# KiCad board schematic_MD.kicad_pcb
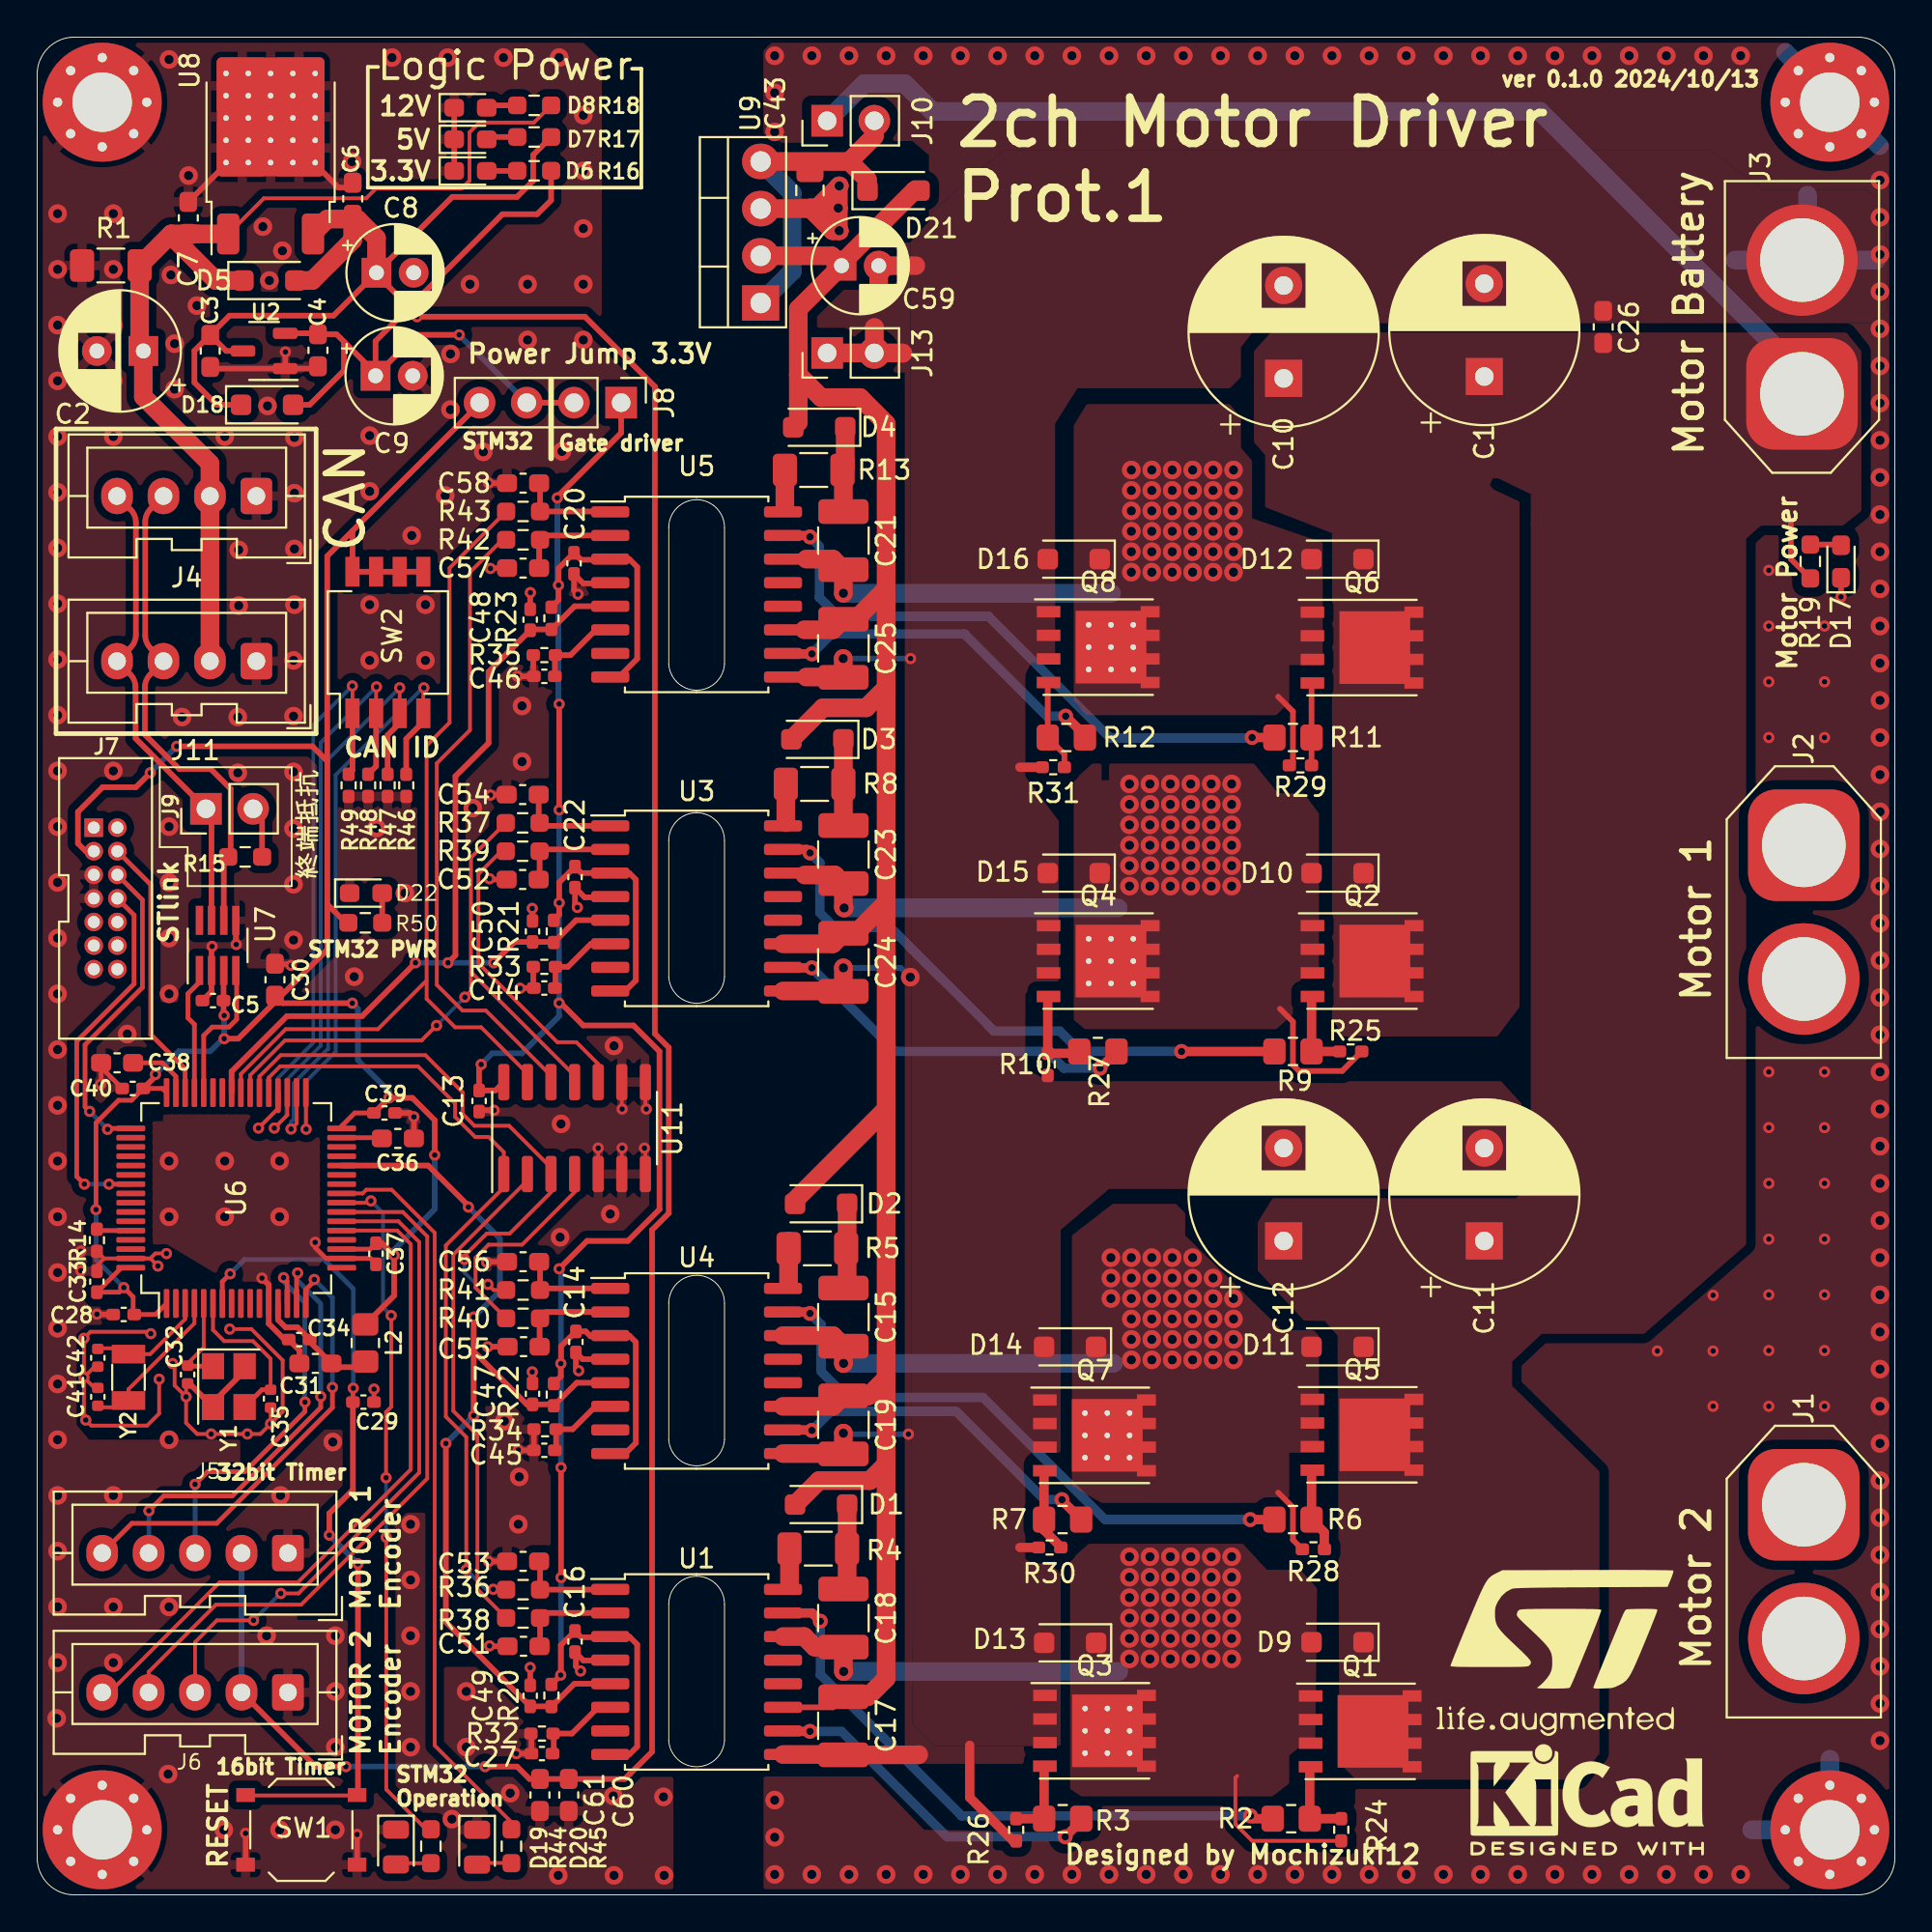
[diagram p0: board, top side]
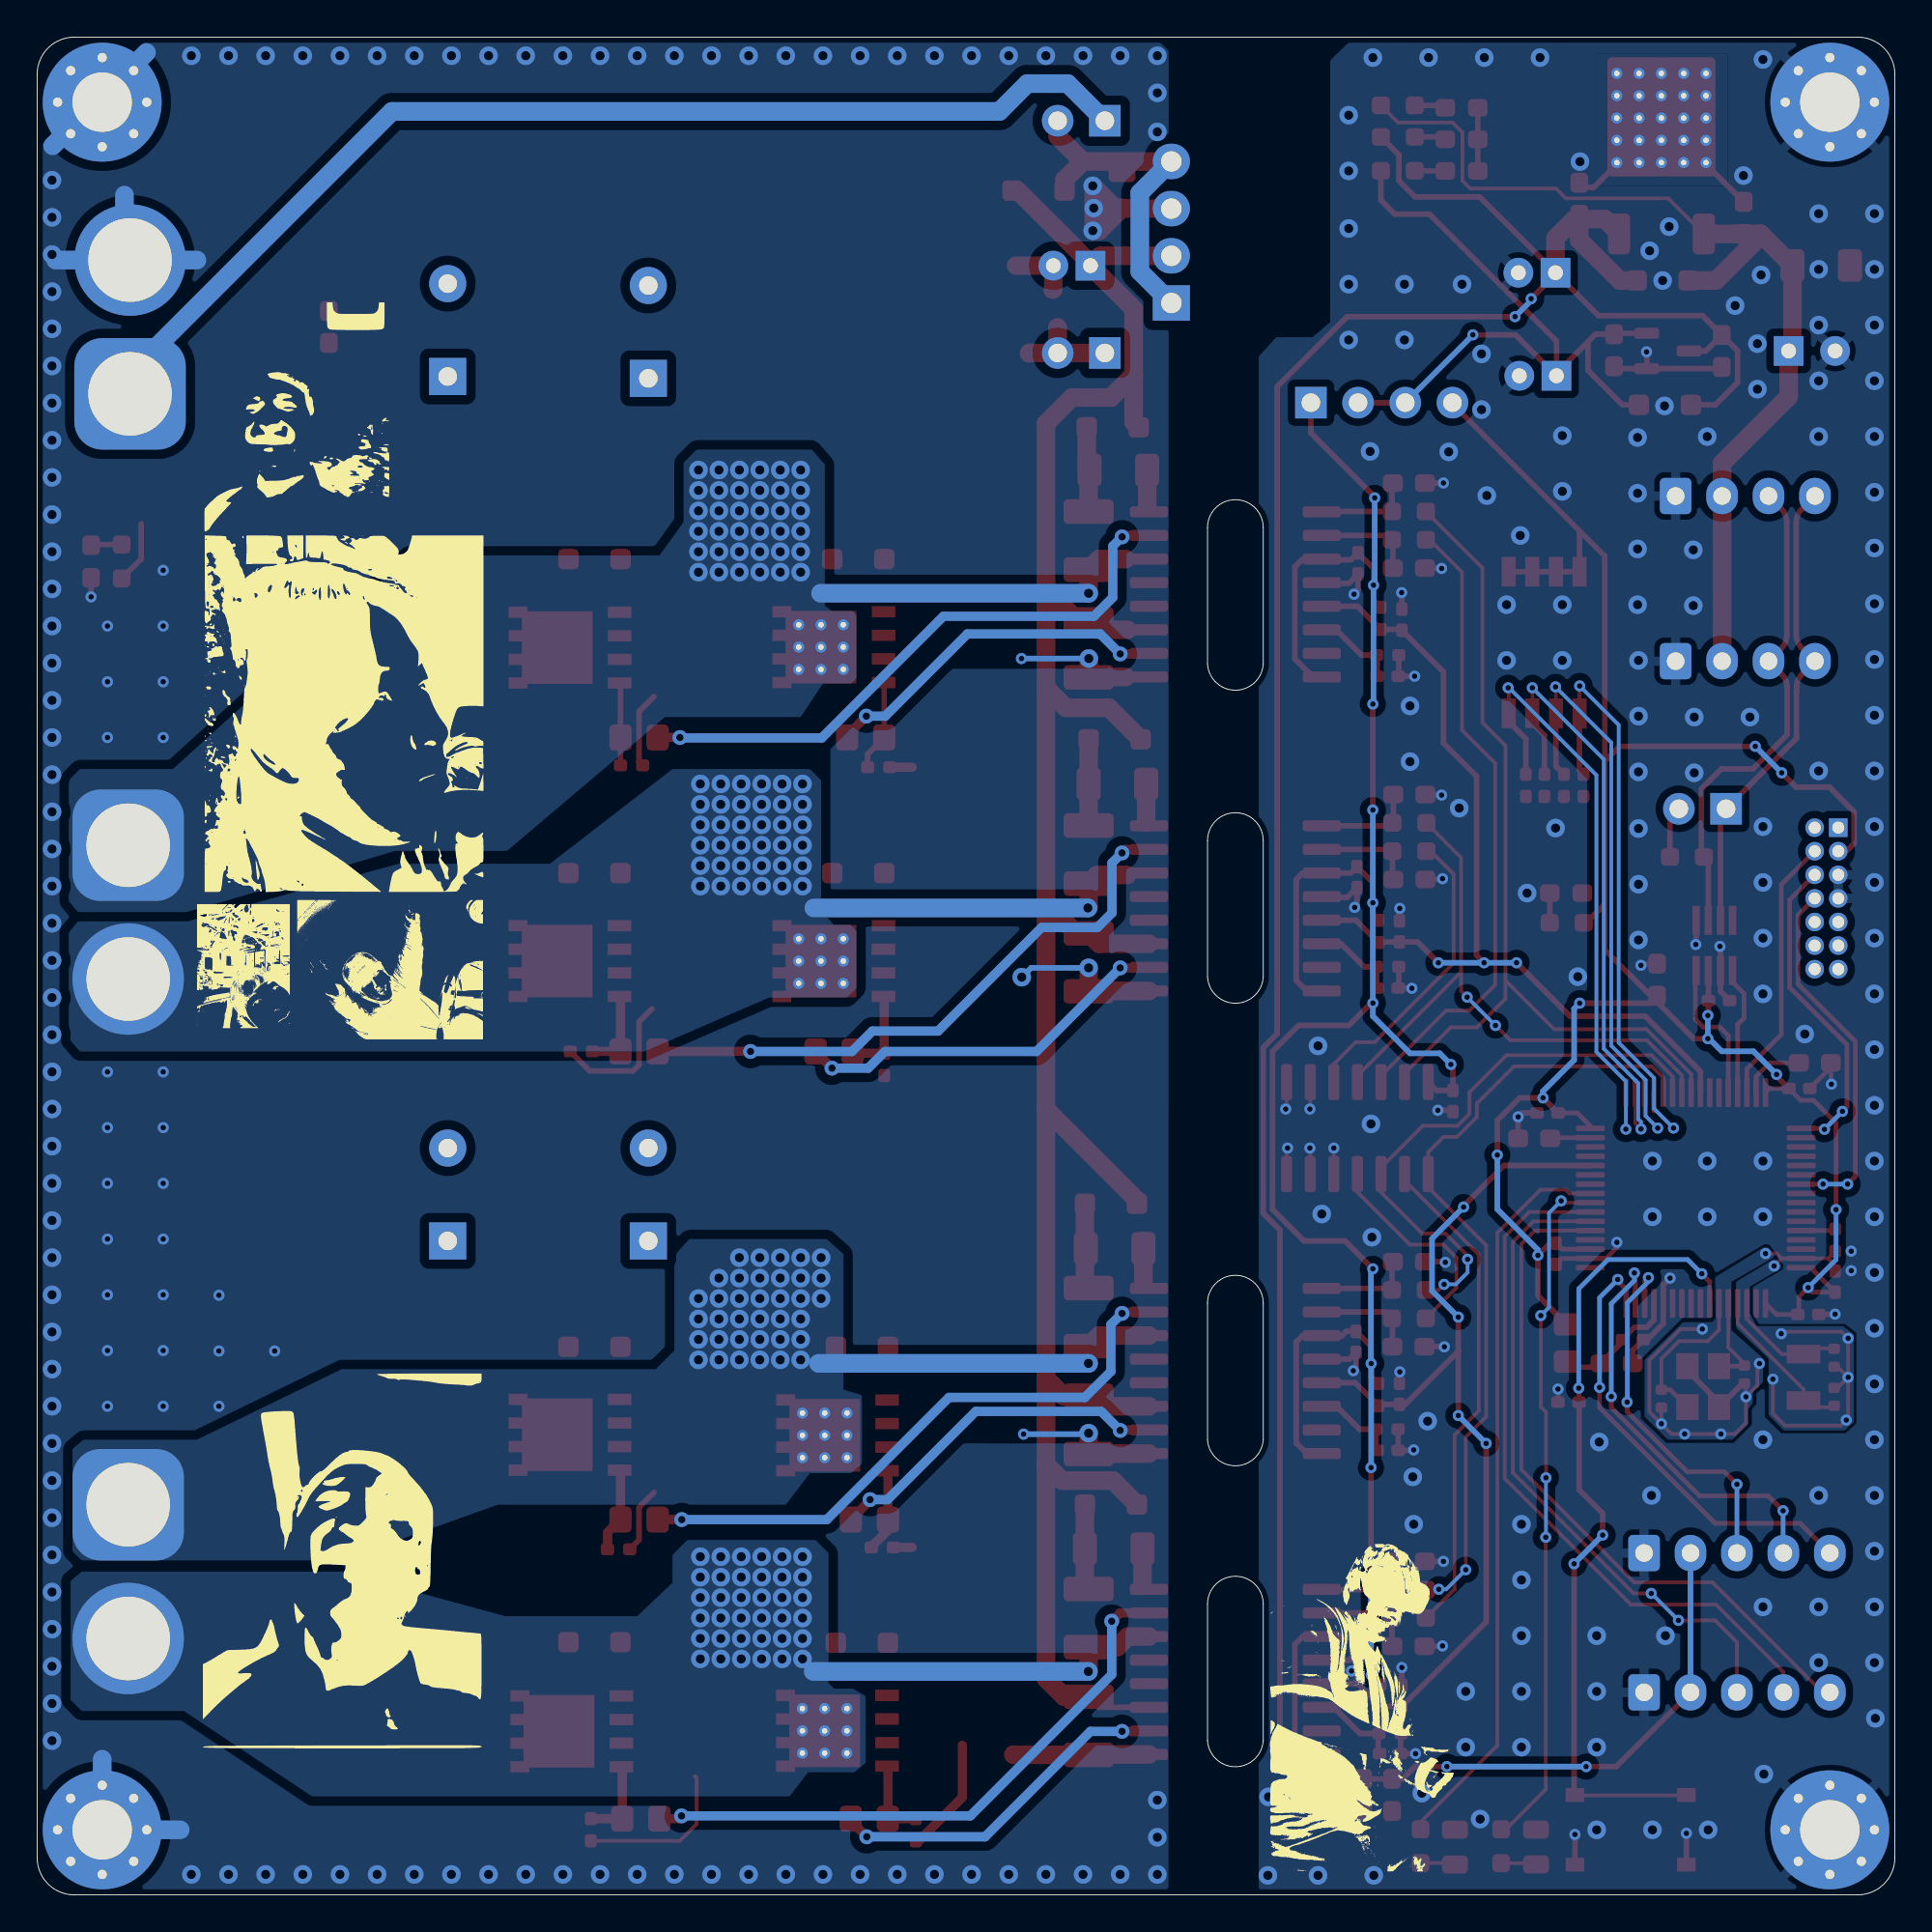
[diagram p1: board, bottom side, seen from below]

Outline 100 x 100 mm; copper layers: Top, Bottom. Coordinates in mm from the lower left corner of the outline.
Outline path: 0,98 0,2 arc(0.59,0.59) 2,0 98,0 arc(99.41,0.59) 100,2 100,98 arc(99.41,99.41) 98,100 2,100 arc(0.59,99.41) 0,98 ; 34,73.6 34,66.25 arc(35.5,64.85) 37,66.25 37,73.6 arc(35.5,75.1) 34,73.6 ; 34,56.75 34,49.4 arc(35.5,48) 37,49.4 37,56.75 arc(35.5,58.25) 34,56.75 ; 34,31.85 34,24.5 arc(35.5,23.1) 37,24.5 37,31.85 arc(35.5,33.35) 34,31.85 ; 34,15.65 34,8.3 arc(35.5,6.9) 37,8.3 37,15.65 arc(35.5,17.15) 34,15.65

## Placement (name value [footprint] x y rotation side)
C1  330u  [CP_Radial_D10.0mm_P5.00mm]  77.9 81.73 90 top
C2  100u  [CP_Radial_D6.3mm_P2.50mm]  5.72 83.11 180 top
C3  1uF  [C_0603_1608Metric_Pad1.08x0.95mm_HandSolder]  9.32 83.11 270 top
C4  1uF  [C_0603_1608Metric_Pad1.08x0.95mm_HandSolder]  15.12 83.15 270 top
C5  0.1u  [C_0402_1005Metric_Pad0.74x0.62mm_HandSolder]  9.47 48.14 180 top
C6  0.1u  [C_0603_1608Metric_Pad1.08x0.95mm_HandSolder]  16.99 91.3 90 top
C7  0.1u  [C_0603_1608Metric_Pad1.08x0.95mm_HandSolder]  8.14 90.27 90 top
C8  47u  [CP_Radial_D5.0mm_P2.00mm]  18.27 87.32 0 top
C9  47u  [CP_Radial_D5.0mm_P2.00mm]  18.22 81.77 0 top
C10  330u  [CP_Radial_D10.0mm_P5.00mm]  67.1 81.63 90 top
C11  330u  [CP_Radial_D10.0mm_P5.00mm]  77.9 35.2 90 top
C12  330u  [CP_Radial_D10.0mm_P5.00mm]  67.1 35.2 90 top
C13  0.1u  [C_0402_1005Metric_Pad0.74x0.62mm_HandSolder]  23.79 42.73 270 top
C14  0.1u  [C_0402_1005Metric_Pad0.74x0.62mm_HandSolder]  29 29.76 270 top
C15  10u  [C_1210_3225Metric_Pad1.33x2.70mm_HandSolder]  43.4 31.1 270 top
C16  0.1u  [C_0402_1005Metric_Pad0.74x0.62mm_HandSolder]  28.95 13.64 270 top
C17  10u  [C_1210_3225Metric_Pad1.33x2.70mm_HandSolder]  43.4 9.1 270 top
C18  10u  [C_1210_3225Metric_Pad1.33x2.70mm_HandSolder]  43.4 14.9 270 top
C19  10u  [C_1210_3225Metric_Pad1.33x2.70mm_HandSolder]  43.4 25.3 270 top
C20  0.1u  [C_0402_1005Metric_Pad0.74x0.62mm_HandSolder]  28.9 71.67 270 top
C21  10u  [C_1210_3225Metric_Pad1.33x2.70mm_HandSolder]  43.4 72.9 270 top
C22  0.1u  [C_0402_1005Metric_Pad0.74x0.62mm_HandSolder]  28.95 54.78 270 top
C23  10u  [C_1210_3225Metric_Pad1.33x2.70mm_HandSolder]  43.4 56 270 top
C24  10u  [C_1210_3225Metric_Pad1.33x2.70mm_HandSolder]  43.4 50.2 270 top
C25  10u  [C_1210_3225Metric_Pad1.33x2.70mm_HandSolder]  43.4 67.1 270 top
C26  1uF  [C_0603_1608Metric_Pad1.08x0.95mm_HandSolder]  84.3 84.4 90 top
C27  1nF  [C_0402_1005Metric_Pad0.74x0.62mm_HandSolder]  27.17 7.6 180 top
C28  0.1u  [C_0402_1005Metric_Pad0.74x0.62mm_HandSolder]  4.66 31.24 180 top
C29  0.1u  [C_0402_1005Metric_Pad0.74x0.62mm_HandSolder]  17.56 26.53 0 top
C30  4.7uF  [C_0603_1608Metric_Pad1.08x0.95mm_HandSolder]  12.8 49.26 90 top
C31  1uF  [C_0603_1608Metric_Pad1.08x0.95mm_HandSolder]  14.98 28.61 180 top
C32  18pF  [C_0402_1005Metric]  8.1 28.01 270 top
C33  0.1u  [C_0402_1005Metric_Pad0.74x0.62mm_HandSolder]  3.22 33.01 90 top
C34  0.1u  [C_0402_1005Metric_Pad0.74x0.62mm_HandSolder]  14.1 29.89 180 top
C35  18pF  [C_0402_1005Metric]  12.57 26.71 270 top
C36  2.2uF  [C_0603_1608Metric_Pad1.08x0.95mm_HandSolder]  19.42 40.72 0 top
C37  0.1u  [C_0402_1005Metric_Pad0.74x0.62mm_HandSolder]  18.24 34.51 270 top
C38  2.2uF  [C_0603_1608Metric_Pad1.08x0.95mm_HandSolder]  4.3 44.79 180 top
C39  0.1u  [C_0402_1005Metric_Pad0.74x0.62mm_HandSolder]  18.7 42.09 0 top
C40  0.1u  [C_0402_1005Metric_Pad0.74x0.62mm_HandSolder]  5.15 43.41 180 top
C41  20pF  [C_0402_1005Metric]  3.27 26.81 90 top
C42  20pF  [C_0402_1005Metric]  3.27 28.91 270 top
C43  0.47uF  [C_0805_2012Metric]  41.6 91.75 270 top
C44  1nF  [C_0402_1005Metric_Pad0.74x0.62mm_HandSolder]  27.3 48.81 180 top
C45  1nF  [C_0402_1005Metric_Pad0.74x0.62mm_HandSolder]  27.3 23.93 180 top
C46  1nF  [C_0402_1005Metric_Pad0.74x0.62mm_HandSolder]  27.3 65.59 180 top
C47  22nF  [C_0402_1005Metric_Pad0.74x0.62mm_HandSolder]  26.67 26.97 90 top
C48  22nF  [C_0402_1005Metric_Pad0.74x0.62mm_HandSolder]  26.54 68.64 90 top
C49  22nF  [C_0402_1005Metric_Pad0.74x0.62mm_HandSolder]  26.54 10.71 90 top
C50  22nF  [C_0402_1005Metric_Pad0.74x0.62mm_HandSolder]  26.67 51.86 90 top
C51  33pF  [C_0603_1608Metric_Pad1.08x0.95mm_HandSolder]  26.18 13.38 180 top
C52  33pF  [C_0603_1608Metric_Pad1.08x0.95mm_HandSolder]  26.13 54.66 180 top
C53  33pF  [C_0603_1608Metric_Pad1.08x0.95mm_HandSolder]  26.16 17.95 180 top
C54  33pF  [C_0603_1608Metric_Pad1.08x0.95mm_HandSolder]  26.13 59.23 180 top
C55  33pF  [C_0603_1608Metric_Pad1.08x0.95mm_HandSolder]  26.18 29.51 180 top
C56  33pF  [C_0603_1608Metric_Pad1.08x0.95mm_HandSolder]  26.16 34.08 180 top
C57  33pF  [C_0603_1608Metric_Pad1.08x0.95mm_HandSolder]  26.16 71.42 180 top
C58  33pF  [C_0603_1608Metric_Pad1.08x0.95mm_HandSolder]  26.16 75.99 180 top
C59  22uF  [CP_Radial_D5.0mm_P2.00mm]  43.3 87.7 0 top
C60  1uF  [C_0603_1608Metric_Pad1.08x0.95mm_HandSolder]  28.61 5.38 90 top
C61  0.1u  [C_0603_1608Metric_Pad1.08x0.95mm_HandSolder]  27.06 5.38 90 top
D1  D_Schottky  [D_SOD-123F]  42.2 21.01 180 top
D2  D_Schottky  [D_SOD-123F]  42.2 37.2 180 top
D3  D_Schottky  [D_SOD-123F]  42 62.2 180 top
D4  D_Schottky  [D_SOD-123F]  42.1 79 180 top
D5  D_Schottky  [D_SOD-123F]  12.5 86.9 0 top
D6  LED  [LED_0603_1608Metric_Pad1.05x0.95mm_HandSolder]  23.33 92.8 0 top
D7  LED  [LED_0603_1608Metric_Pad1.05x0.95mm_HandSolder]  23.33 94.5 0 top
D8  LED  [LED_0603_1608Metric_Pad1.05x0.95mm_HandSolder]  23.33 96.2 0 top
D9  D_Schottky  [D_SOD-123F]  70 13.6 180 top
D10  D_Schottky  [D_SOD-123F]  70 55 180 top
D11  D_Schottky  [D_SOD-123F]  70 29.5 180 top
D12  D_Schottky  [D_SOD-123F]  70 71.9 180 top
D13  D_Schottky  [D_SOD-123F]  55.6 13.56 180 top
D14  D_Schottky  [D_SOD-123F]  55.6 29.5 180 top
D15  D_Schottky  [D_SOD-123F]  55.8 55 180 top
D16  D_Schottky  [D_SOD-123F]  55.8 71.9 180 top
D17  LED  [LED_0603_1608Metric_Pad1.05x0.95mm_HandSolder]  97.1 71.78 90 top
D18  D_Schottky  [D_SOD-123F]  12.38 80.21 0 top
D19  LED  [LED_0805_2012Metric]  19.31 2.57 270 top
D20  LED  [LED_0805_2012Metric]  23.68 2.57 270 top
D21  D_Schottky  [D_SOD-123F]  46.1 91.74 0 top
D22  LED  [LED_0603_1608Metric_Pad1.05x0.95mm_HandSolder]  17.7 53.92 0 top
G***  LOGO  [STM_logo_25mm]  81.72 13.03 0 top
G***#2  -  [LOGO]  81 49.8 180 bottom
G***#3  -  [LOGO]  83.6 18 180 bottom
G***#4  -  [LOGO]  28.66 10.07 180 bottom
G***#5  -  [LOGO]  88.9 50 180 bottom
G***#6  -  [LOGO]  83.5 63.6 180 bottom
G***#7  -  [LOGO]  86.05 79.15 180 bottom
H1  MountingHole_Pad  [MountingHole_3.2mm_M3_Pad_Via]  3.5 96.5 0 top
H2  MountingHole_Pad  [MountingHole_3.2mm_M3_Pad_Via]  3.5 3.5 0 top
H3  MountingHole_Pad  [MountingHole_3.2mm_M3_Pad_Via]  96.5 96.5 0 top
H4  MountingHole_Pad  [MountingHole_3.2mm_M3_Pad_Via]  96.5 3.5 0 top
J1  XT60  [AMASS_XT60-F_1x02_P7.20mm_Vertical]  95.1 21 270 top
J2  XT60  [AMASS_XT60-F_1x02_P7.20mm_Vertical]  95.1 56.5 270 top
J3  XT60  [AMASS_XT60-M_1x02_P7.20mm_Vertical]  95 80.8 90 top
J4  CAN_Bus  [JST_XA_B04B-XASK-1_1x04_P2.50mm_Vertical]  11.8 75.3 180 top
J5  Rotaly_encoder_1  [JST_XA_B05B-XASK-1_1x05_P2.50mm_Vertical]  13.5 18.4 180 top
J6  Rotaly_encoder_2  [JST_XA_B05B-XASK-1_1x05_P2.50mm_Vertical]  13.5 10.9 180 top
J7  Conn_02x07_Odd_Even  [JTAG_box_connector]  3.68 44.69 0 top
J8  Conn_01x04  [PinHeader_1x04_P2.54mm_Vertical]  31.44 80.33 270 top
J9  Conn_02x01  [PinHeader_1x02_P2.54mm_Vertical]  9.09 58.46 90 top
J10  Gate_PWR_Jump  [PinHeader_1x02_P2.54mm_Vertical]  42.53 95.5 90 top
J11  CAN_Bus  [JST_XA_B04B-XASK-1_1x04_P2.50mm_Vertical]  11.8 66.41 180 top
J13  EXPWR_GND  [PinHeader_1x02_P2.54mm_Vertical]  42.53 83 90 top
L2  600@100MHz  [R_0805_2012Metric_Pad1.20x1.40mm_HandSolder]  17.67 29.71 270 top
Q1  SQJ886EP-T1_GE3  [PowerPAK_SO-8_Single]  71.22 8.8 0 top
Q2  SQJ886EP-T1_GE3  [PowerPAK_SO-8_Single]  71.32 50.27 0 top
Q3  SQJ886EP-T1_GE3  [PowerPAK_SO-8_Single_ThermalVias]  56.92 8.83 0 top
Q4  SQJ886EP-T1_GE3  [PowerPAK_SO-8_Single_ThermalVias]  57.12 50.27 0 top
Q5  SQJ886EP-T1_GE3  [PowerPAK_SO-8_Single]  71.31 24.77 0 top
Q6  SQJ886EP-T1_GE3  [PowerPAK_SO-8_Single]  71.31 67.14 0 top
Q7  SQJ886EP-T1_GE3  [PowerPAK_SO-8_Single_ThermalVias]  56.91 24.73 0 top
Q8  SQJ886EP-T1_GE3  [PowerPAK_SO-8_Single_ThermalVias]  57.12 67.17 0 top
R1  10k  [R_1206_3216Metric_Pad1.30x1.75mm_HandSolder]  3.97 87.71 180 top
R2  10  [R_0805_2012Metric_Pad1.20x1.40mm_HandSolder]  67.5 4.1 0 top
R3  10  [R_0805_2012Metric_Pad1.20x1.40mm_HandSolder]  55.2 4.1 180 top
R4  0.1  [R_1206_3216Metric_Pad1.30x1.75mm_HandSolder]  42.05 18.64 0 top
R5  0.1  [R_1206_3216Metric_Pad1.30x1.75mm_HandSolder]  42 34.8 0 top
R6  10  [R_0805_2012Metric_Pad1.20x1.40mm_HandSolder]  67.6 20.2 0 top
R7  10  [R_0805_2012Metric_Pad1.20x1.40mm_HandSolder]  55.2 20.2 180 top
R8  0.1  [R_1206_3216Metric_Pad1.30x1.75mm_HandSolder]  41.85 59.8 0 top
R9  10  [R_0805_2012Metric_Pad1.20x1.40mm_HandSolder]  67.6 45.4 0 top
R10  10  [R_0805_2012Metric_Pad1.20x1.40mm_HandSolder]  57.1 45.4 180 top
R11  10  [R_0805_2012Metric_Pad1.20x1.40mm_HandSolder]  67.6 62.3 0 top
R12  10  [R_0805_2012Metric_Pad1.20x1.40mm_HandSolder]  55.4 62.3 180 top
R13  0.1  [R_1206_3216Metric_Pad1.30x1.75mm_HandSolder]  41.8 76.7 0 top
R14  10k  [R_0402_1005Metric_Pad0.72x0.64mm_HandSolder]  3.22 35.24 270 top
R15  120  [R_0603_1608Metric_Pad0.98x0.95mm_HandSolder]  11.2 55.87 180 top
R16  330  [R_0603_1608Metric_Pad0.98x0.95mm_HandSolder]  26.75 92.81 180 top
R17  680  [R_0603_1608Metric_Pad0.98x0.95mm_HandSolder]  26.75 94.63 180 top
R18  2k  [R_0603_1608Metric_Pad0.98x0.95mm_HandSolder]  26.75 96.33 180 top
R19  3.6k  [R_0603_1608Metric_Pad0.98x0.95mm_HandSolder]  95.45 71.78 90 top
R20  10k  [R_0402_1005Metric_Pad0.72x0.64mm_HandSolder]  27.68 10.73 270 top
R21  10k  [R_0402_1005Metric_Pad0.72x0.64mm_HandSolder]  27.81 51.86 270 top
R22  10k  [R_0402_1005Metric_Pad0.72x0.64mm_HandSolder]  27.81 26.93 270 top
R23  10k  [R_0402_1005Metric_Pad0.72x0.64mm_HandSolder]  27.68 68.72 270 top
R24  20k  [R_0402_1005Metric_Pad0.72x0.64mm_HandSolder]  70.2 3.5 270 top
R25  20k  [R_0402_1005Metric_Pad0.72x0.64mm_HandSolder]  70.7 45.4 0 top
R26  20k  [R_0402_1005Metric_Pad0.72x0.64mm_HandSolder]  52.7 3.5 270 top
R27  20k  [R_0402_1005Metric_Pad0.72x0.64mm_HandSolder]  54.4 44.7 270 top
R28  20k  [R_0402_1005Metric_Pad0.72x0.64mm_HandSolder]  68.7 18.6 180 top
R29  20k  [R_0402_1005Metric_Pad0.72x0.64mm_HandSolder]  68 60.8 180 top
R30  20k  [R_0402_1005Metric_Pad0.72x0.64mm_HandSolder]  54.5 18.7 180 top
R31  20k  [R_0402_1005Metric_Pad0.72x0.64mm_HandSolder]  54.7 60.7 180 top
R32  20k  [R_0402_1005Metric_Pad0.72x0.64mm_HandSolder]  27.17 8.68 180 top
R33  20k  [R_0402_1005Metric_Pad0.72x0.64mm_HandSolder]  27.3 49.96 180 top
R34  20k  [R_0402_1005Metric_Pad0.72x0.64mm_HandSolder]  27.34 25.06 180 top
R35  20k  [R_0402_1005Metric_Pad0.72x0.64mm_HandSolder]  27.3 66.74 180 top
R36  51  [R_0603_1608Metric_Pad0.98x0.95mm_HandSolder]  26.16 16.43 0 top
R37  51  [R_0603_1608Metric_Pad0.98x0.95mm_HandSolder]  26.13 57.7 0 top
R38  51  [R_0603_1608Metric_Pad0.98x0.95mm_HandSolder]  26.16 14.91 0 top
R39  51  [R_0603_1608Metric_Pad0.98x0.95mm_HandSolder]  26.13 56.18 0 top
R40  51  [R_0603_1608Metric_Pad0.98x0.95mm_HandSolder]  26.16 31.03 0 top
R41  51  [R_0603_1608Metric_Pad0.98x0.95mm_HandSolder]  26.16 32.56 0 top
R42  51  [R_0603_1608Metric_Pad0.98x0.95mm_HandSolder]  26.16 72.94 0 top
R43  51  [R_0603_1608Metric_Pad0.98x0.95mm_HandSolder]  26.16 74.47 0 top
R44  330  [R_0603_1608Metric_Pad0.98x0.95mm_HandSolder]  21.19 2.62 270 top
R45  330  [R_0603_1608Metric_Pad0.98x0.95mm_HandSolder]  25.53 2.62 270 top
R46  10k  [R_0402_1005Metric_Pad0.72x0.64mm_HandSolder]  19.87 59.72 270 top
R47  10k  [R_0402_1005Metric_Pad0.72x0.64mm_HandSolder]  18.86 59.72 270 top
R48  10k  [R_0402_1005Metric_Pad0.72x0.64mm_HandSolder]  17.81 59.72 270 top
R49  10k  [R_0402_1005Metric_Pad0.72x0.64mm_HandSolder]  16.77 59.72 270 top
R50  330  [R_0603_1608Metric_Pad0.98x0.95mm_HandSolder]  17.66 52.33 0 top
REF**  -  [KiCad-Logo2_5mm_SilkScreen]  83.44 5.13 0 top
SW1  SW_MEC_5G  [SW_Push_1P1T_XKB_TS-1187A]  14.22 3.5 180 top
SW2  SW_DIP_x04  [SW_DIP_SPSTx04_Slide_Copal_CHS-04B_W7.62mm_P1.27mm]  18.88 67.42 90 top
U1  UCC21520DW  [SOIC-16W_7.5x10.3mm_P1.27mm]  35.5 12 0 top
U2  XC6206P332MR-G  [SOT-23-3]  12.22 83.11 180 top
U3  UCC21520DW  [SOIC-16W_7.5x10.3mm_P1.27mm]  35.5 53.1 0 top
U4  UCC21520DW  [SOIC-16W_7.5x10.3mm_P1.27mm]  35.5 28.2 0 top
U5  UCC21520DW  [SOIC-16W_7.5x10.3mm_P1.27mm]  35.5 70 0 top
U6  STM32F405RGTx  [LQFP-64_10x10mm_P0.5mm]  10.72 37.51 90 top
U7  MAX3051  [SOT-23-8_Handsoldering]  9.72 51.11 90 top
U8  L78M05ABDT-TR  [TO-252-2]  12.57 94.45 90 top
U9  NJM2396F12  [TO-220-4_Vertical]  38.94 85.69 90 top
U11  74HC04  [SOIC-14_3.9x8.7mm_P1.27mm]  28.93 41.28 90 top
Y1  25MHz  [Crystal_SMD_3225-4Pin_3.2x2.5mm]  10.32 27.36 270 top
Y2  Crystal  [Crystal_SMD_3215-2Pin_3.2x1.5mm]  4.92 27.86 90 top

## Library data of the parts
C1 C2 C8-C12 C59 = -: Description: Polarized capacitor
C3-C7 C13-C42 C44-C58 C60 C61 = -: Description: Unpolarized capacitor, small symbol
C43 = -: Description: Unpolarized capacitor
D1-D5 D9-D16 D18 D21 = -: Description: Schottky diode
D6-D8 D17 D19 D20 D22 = -: Description: Light emitting diode
H1-H4 = -: Description: Mounting Hole with connection
J1-J3 = -: Description: Generic connector, single row, 01x02, script generated (kicad-library-utils/schlib/autogen/connector/)
J4 J8 J11 = -: Description: Generic connector, single row, 01x04, script generated (kicad-library-utils/schlib/autogen/connector/)
J5 J6 = -: Description: Generic connector, single row, 01x05, script generated (kicad-library-utils/schlib/autogen/connector/)
J7 = -: Description: Generic connector, double row, 02x07, odd/even pin numbering scheme (row 1 odd numbers, row 2 even numbers), script generated (kicad-library-utils/schlib/autogen/connector/)
J9 J10 J13 = -: Description: Generic connector, double row, 02x01, this symbol is compatible with counter-clockwise, top-bottom and odd-even numbering schemes., script generated (kicad-library-utils/schlib/autogen/connector/)
L2 = -: Description: Inductor with ferrite core
Q1-Q8 = -: Description: 40V 60A 4.5mΩ@15.3A,10V 55W 2.5V@250uA 1PCSNChannel SO-8-4 MOSFETs ROHS
R1-R50 = -: Description: Resistor
SW1 = -: Description: MEC 5G single pole normally-open tactile switch
SW2 = -: Description: 4x DIP Switch, Single Pole Single Throw (SPST) switch, small symbol
U1 U3-U5 = -: Description: Isolated Dual-Channel Gate Driver, Output Current 4.0/6.0A, 5.7kV Isolation, 8V UVLO, SOIC-16W
U2 = -: Description: 200mA Fixed 3.3V Positive electrode 6V SOT-23-3L Voltage Regulators - Linear, Low Drop Out (LDO) Regulators ROHS
U6 = -: Description: STMicroelectronics Arm Cortex-M4 MCU, 1024KB flash, 192KB RAM, 168 MHz, 1.8-3.6V, 51 GPIO, LQFP64
U7 = -: Description: CAN Transi
U8 = -: Description: 62dB@(120Hz) 500mA Fixed 5V Positive electrode 35V, TO-220/TO-263/TO-252
U9 = -: Description: 12V step down positive
U11 = -: Description: Hex Inverter
Y1 = -: Description: Four pin crystal, GND on pins 2 and 4, small symbol
Y2 = -: Description: Two pin crystal

## Footprints (pads in the part's own frame, mm; a bottom-side part is the same pattern mirrored in y, then rotated)
AMASS_XT60-F_1x02_P7.20mm_Vertical
  rrect 6x6 hole 4.5: 1(0,0)
  round 6 hole 4.5: 2(7.2,0)
AMASS_XT60-M_1x02_P7.20mm_Vertical
  rrect 6x6 hole 4.5: 1(0,0)
  round 6 hole 4.5: 2(7.2,0)
C_0402_1005Metric
  rrect 0.56x0.62 smd: 1(-0.48,0) 2(0.48,0)
C_0402_1005Metric_Pad0.74x0.62mm_HandSolder
  rrect 0.735x0.62 smd: 1(-0.568,0) 2(0.568,0)
C_0603_1608Metric_Pad1.08x0.95mm_HandSolder
  rrect 1.075x0.95 smd: 1(-0.863,0) 2(0.863,0)
C_0805_2012Metric
  rrect 1x1.45 smd: 1(-0.95,0) 2(0.95,0)
C_1210_3225Metric_Pad1.33x2.70mm_HandSolder
  rrect 1.325x2.7 smd: 1(-1.562,0) 2(1.562,0)
CP_Radial_D5.0mm_P2.00mm
  rect 1.6x1.6 hole 0.8: 1(0,0)
  round 1.6 hole 0.8: 2(2,0)
CP_Radial_D6.3mm_P2.50mm
  rect 1.6x1.6 hole 0.8: 1(0,0)
  round 1.6 hole 0.8: 2(2.5,0)
CP_Radial_D10.0mm_P5.00mm
  rect 2x2 hole 1: 1(0,0)
  round 2 hole 1: 2(5,0)
Crystal_SMD_3215-2Pin_3.2x1.5mm
  rect 1x1.8 smd: 1(1.25,0) 2(-1.25,0)
Crystal_SMD_3225-4Pin_3.2x2.5mm
  rect 1.4x1.2 smd: 1(-1.1,-0.85) 2(1.1,-0.85) 3(1.1,0.85) 4(-1.1,0.85)
D_SOD-123F
  rrect 1.1x1.1 smd: 1(-1.4,0) 2(1.4,0)
JST_XA_B04B-XASK-1_1x04_P2.50mm_Vertical
  rrect 1.7x1.95 hole 0.95: 1(0,0)
  oval 1.7x1.95 hole 0.95: 2(2.5,0) 3(5,0) 4(7.5,0)
JST_XA_B05B-XASK-1_1x05_P2.50mm_Vertical
  rrect 1.7x1.95 hole 0.95: 1(0,0)
  oval 1.7x1.95 hole 0.95: 2(2.5,0) 3(5,0) 4(7.5,0) 5(10,0)
JTAG_box_connector
  rect 1x1 hole 0.65: 1(-0.635,12.76)
  oval 1x1 hole 0.65: 2(0.635,12.76) 3(-0.635,11.49) 4(0.635,11.49) 5(-0.635,10.22) 6(0.635,10.22) 7(-0.635,8.95) 8(0.635,8.95) 9(-0.635,7.68) 10(0.635,7.68) 11(-0.635,6.41) 12(0.635,6.41) 13(-0.635,5.14) 14(0.635,5.14)
LED_0603_1608Metric_Pad1.05x0.95mm_HandSolder
  rrect 1.05x0.95 smd: 1(-0.875,0) 2(0.875,0)
LED_0805_2012Metric
  rrect 0.975x1.4 smd: 1(-0.938,0) 2(0.938,0)
LQFP-64_10x10mm_P0.5mm
  rrect 1.55x0.3 smd: 1(-5.675,3.75) 2(-5.675,3.25) 3(-5.675,2.75) 4(-5.675,2.25) 5(-5.675,1.75) 6(-5.675,1.25) 7(-5.675,0.75) 8(-5.675,0.25) 9(-5.675,-0.25) 10(-5.675,-0.75) 11(-5.675,-1.25) 12(-5.675,-1.75) 13(-5.675,-2.25) 14(-5.675,-2.75) 15(-5.675,-3.25) 16(-5.675,-3.75) 33(5.675,-3.75) 34(5.675,-3.25) 35(5.675,-2.75) 36(5.675,-2.25) 37(5.675,-1.75) 38(5.675,-1.25) 39(5.675,-0.75) 40(5.675,-0.25) 41(5.675,0.25) 42(5.675,0.75) 43(5.675,1.25) 44(5.675,1.75) 45(5.675,2.25) 46(5.675,2.75) 47(5.675,3.25) 48(5.675,3.75)
  rrect 0.3x1.55 smd: 17(-3.75,-5.675) 18(-3.25,-5.675) 19(-2.75,-5.675) 20(-2.25,-5.675) 21(-1.75,-5.675) 22(-1.25,-5.675) 23(-0.75,-5.675) 24(-0.25,-5.675) 25(0.25,-5.675) 26(0.75,-5.675) 27(1.25,-5.675) 28(1.75,-5.675) 29(2.25,-5.675) 30(2.75,-5.675) 31(3.25,-5.675) 32(3.75,-5.675) 49(3.75,5.675) 50(3.25,5.675) 51(2.75,5.675) 52(2.25,5.675) 53(1.75,5.675) 54(1.25,5.675) 55(0.75,5.675) 56(0.25,5.675) 57(-0.25,5.675) 58(-0.75,5.675) 59(-1.25,5.675) 60(-1.75,5.675) 61(-2.25,5.675) 62(-2.75,5.675) 63(-3.25,5.675) 64(-3.75,5.675)
MountingHole_3.2mm_M3_Pad_Via
  round 0.8 hole 0.5: 1(-2.4,0) 1(-1.697,1.697) 1(-1.697,-1.697) 1(0,2.4) 1(0,-2.4) 1(1.697,1.697) 1(1.697,-1.697) 1(2.4,0)
  round 6.4 hole 3.2: 1(0,0)
PinHeader_1x02_P2.54mm_Vertical
  rect 1.7x1.7 hole 1: 1(0,0)
  oval 1.7x1.7 hole 1: 2(0,-2.54)
PinHeader_1x04_P2.54mm_Vertical